# Allegro board 8880F5-0823_2_1.brd (continued)
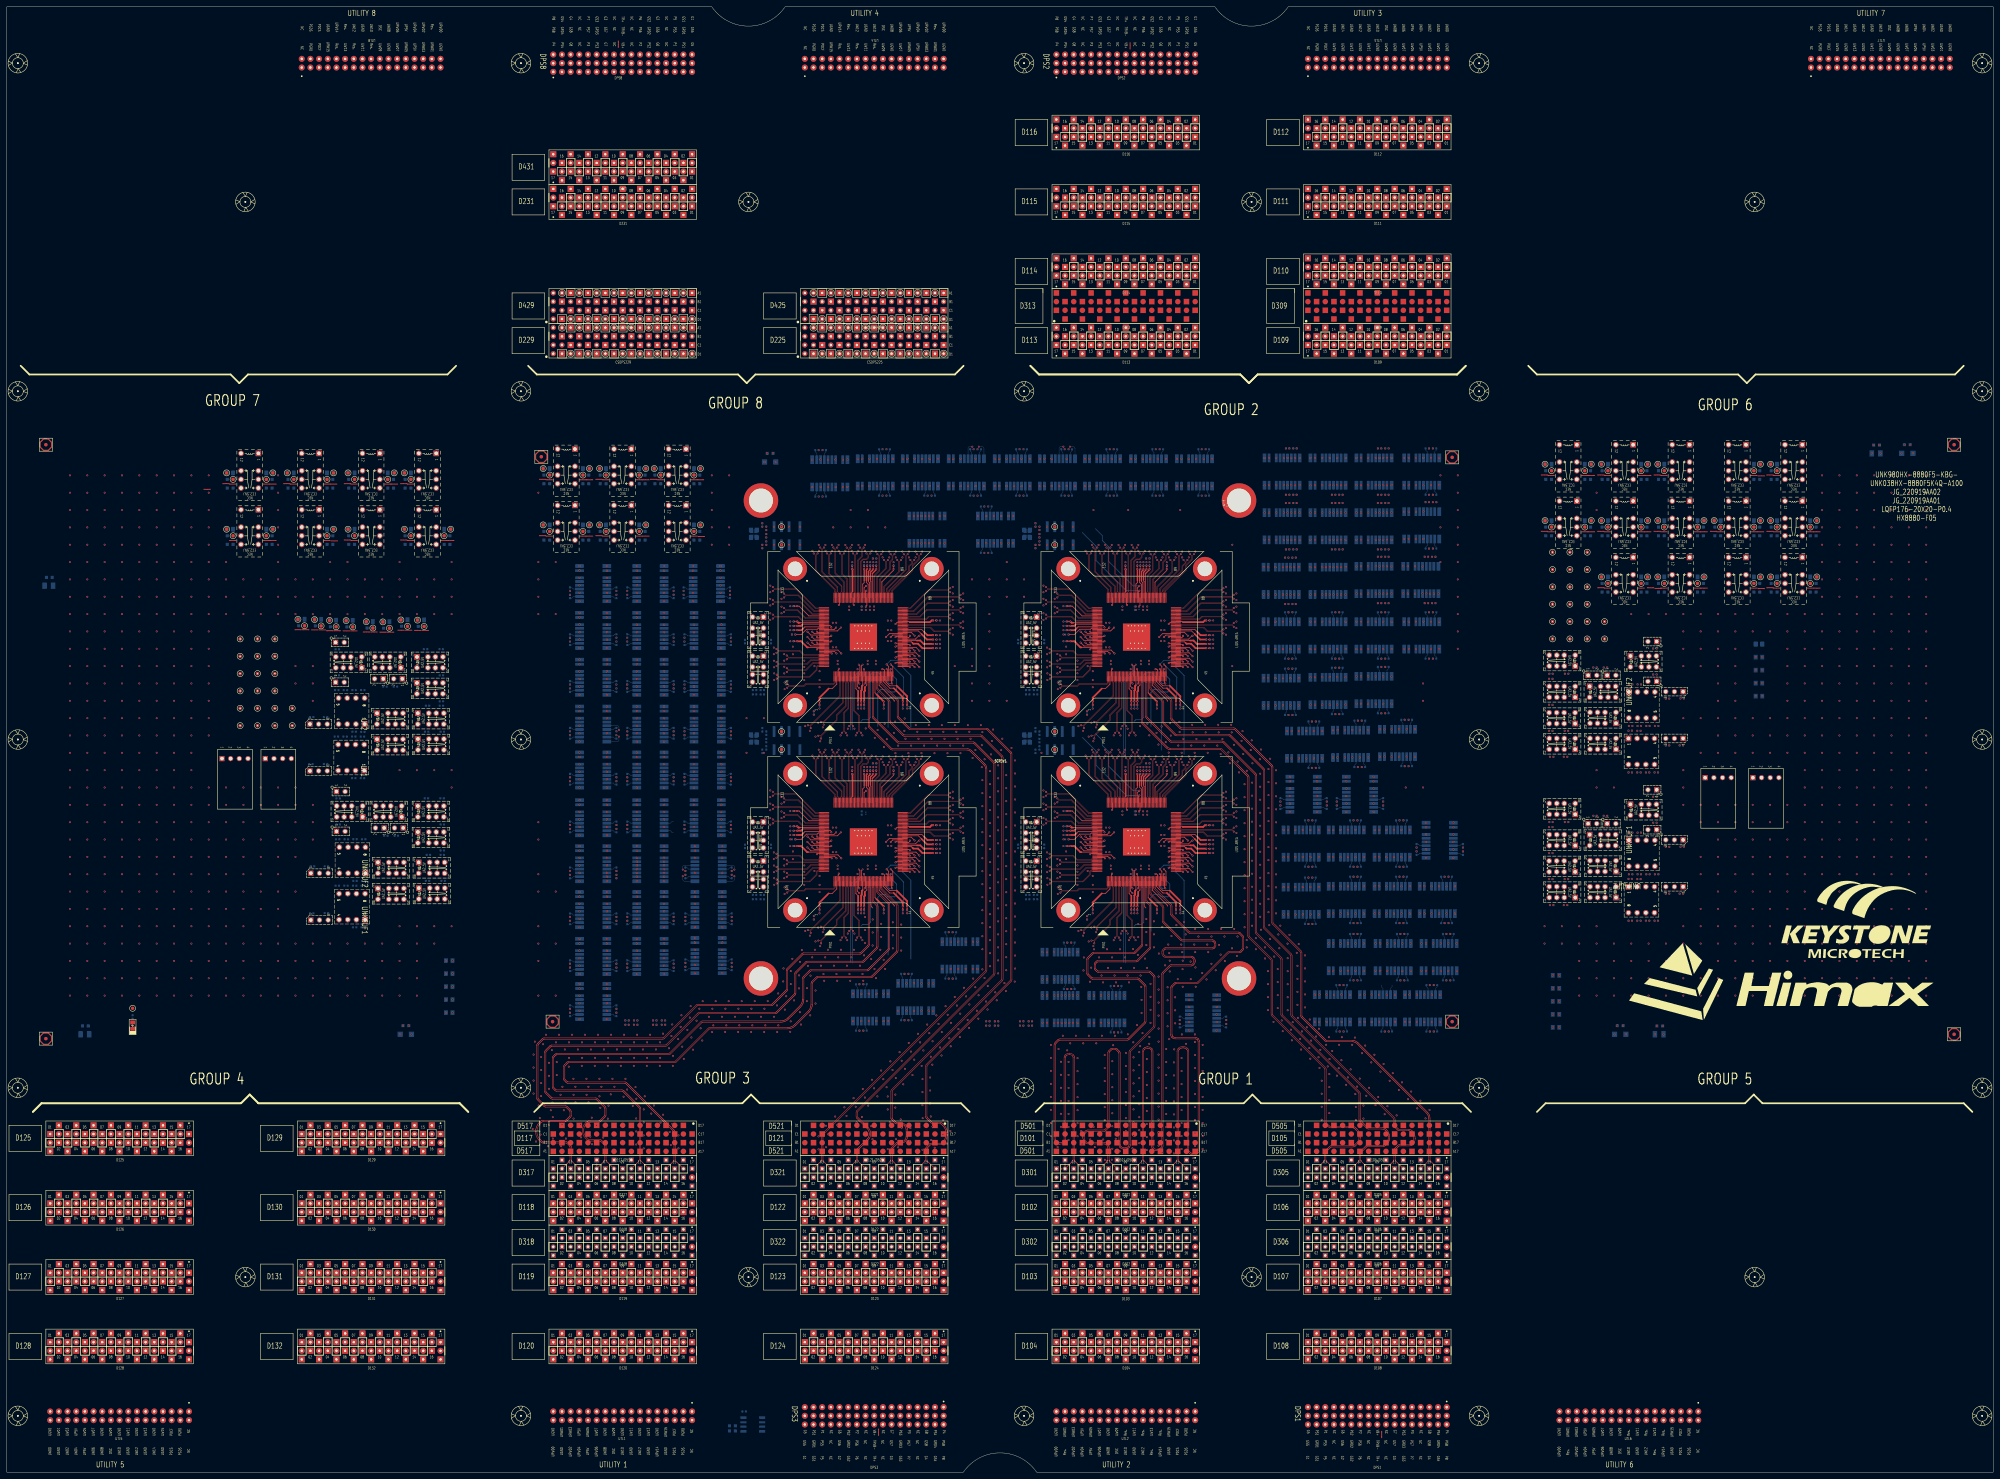
[diagram p0: board, top side]
## Routing (per net, layer and track width the routed paths; a pad name or vN(x,y) marks a point on that pad's centre or on a via; arc(x,y) is an arc through that point) (continued)
S2_2TX_100DCH004-: length 136.7
  TOP w0.086: v1(340.71,267.21) 341.17,266.75 341.17,263.84 336.71,259.38 336.71,257.86 336.63,257.78 SITE2.96
  L05_SIGNAL w0.071: 408.39,311.64 408.39,287.28 406.48,285.37 403.69,285.37 403.15,284.84 403.15,283.98 403.22,283.91 v1(403.63,283.91)
  L32_SIGNAL w0.071: v1(340.71,267.21) 341.19,267.69 341.19,271.15 342.52,272.48 366.26,272.48 366.83,271.92 381.89,271.92 384.72,269.09 396.56,269.09 397.24,269.77 406.11,269.77 406.98,270.64 406.98,284.23 406.11,285.09 403.29,285.09 403.15,284.96 403.15,284.38 v1(403.63,283.91)
S2_2TX_100DCH005+: length 130.2
  TOP w0.086: SITE2.98 335.83,257.78 335.75,257.86 335.75,261.48 338.7,264.43 338.7,266.53 339.46,267.3 339.46,268.47 v1(339.93,268.93)
  L05_SIGNAL w0.071: 399.7,311.64 399.7,273.14 400.54,272.3 402.03,272.3 402.95,271.37 402.95,270.39 402.88,270.32 v1(402.48,270.32)
  L32_SIGNAL w0.071: v1(339.93,268.93) 339.45,269.4 339.45,271.76 340.65,272.96 366.4,272.96 367.14,272.22 383.39,272.22 386.2,269.41 395,269.41 397.98,272.39 402.45,272.39 402.95,271.88 402.95,270.79 v1(402.48,270.32)
S2_2TX_100DCH005-: length 130.9
  TOP w0.086: SITE2.99 335.43,257.78 335.51,257.86 335.51,261.58 338.46,264.53 338.46,266.63 339.22,267.39 339.22,268.49 v1(338.78,268.93)
  L05_SIGNAL w0.071: v1(403.63,270.32) 403.22,270.32 403.15,270.39 403.15,271.45 402.11,272.49 400.62,272.49 399.9,273.22 399.9,311.64
  L32_SIGNAL w0.071: v1(403.63,270.32) 403.15,270.79 403.15,271.96 402.53,272.59 397.9,272.59 394.92,269.61 386.29,269.61 383.48,272.42 367.22,272.42 366.48,273.15 340.57,273.15 339.26,271.84 339.26,269.4 v1(338.78,268.93)
S2_2TX_100DCH006+: length 237.3
  TOP w0.086: SITE2.100 335.03,257.78 334.95,257.86 334.95,262.07 337.55,264.67 337.55,266.76 v1(338,267.21)
  L05_SIGNAL w0.071: v1(389.02,283.91) 389.42,283.91 389.49,283.98 389.49,285.03 390.19,285.73 391.88,285.73 393.3,287.15 393.3,311.64
  L32_SIGNAL w0.071: v1(338,267.21) 337.53,266.74 337.53,264.24 336.26,262.97 320.43,262.97 314.95,268.46 314.95,273.47 318.65,277.17 363.57,277.17 367.03,280.62 367.03,302.08 369.35,304.4 404,304.4 406.96,301.44 406.96,295.52 404.38,292.94 387.04,292.94 386.34,292.25 386.34,283.28 387.45,282.17 388.8,282.17 389.48,282.85 389.48,283.45 v1(389.02,283.91)
S2_2TX_100DCH006-: length 236.6
  TOP w0.086: SITE2.101 334.63,257.78 334.71,257.86 334.71,262.17 337.31,264.77 337.31,266.76 v1(336.85,267.21)
  L05_SIGNAL w0.071: v1(390.16,283.91) 389.76,283.91 389.69,283.98 389.69,284.94 390.28,285.53 391.96,285.53 393.5,287.07 393.5,311.64
  L32_SIGNAL w0.071: v1(390.16,283.91) 389.67,283.42 389.67,282.76 388.89,281.98 387.37,281.98 386.15,283.2 386.15,292.33 386.95,293.14 404.3,293.14 406.76,295.6 406.76,301.36 403.91,304.2 369.43,304.2 367.22,302 367.22,280.54 363.66,276.97 318.73,276.97 315.15,273.39 315.15,268.54 320.52,263.17 336.18,263.17 337.33,264.32 337.33,266.74 v1(336.85,267.21)
S2_2TX_100DCH007+: length 118.4
  TOP w0.086: SITE2.102 334.23,257.78 334.15,257.86 334.15,262.58 335.64,264.07 335.64,268.51 v1(336.07,268.93)
  L05_SIGNAL w0.071: 394.2,311.64 394.2,285.43 391.29,282.51 391.29,272.96 389.49,271.16 389.49,270.39 389.42,270.32 v1(389.02,270.32)
  L32_SIGNAL w0.071: v1(336.07,268.93) 335.6,269.4 335.6,272.83 336.71,273.94 385.33,273.94 386.97,272.31 389.03,272.31 389.49,271.84 389.49,270.79 v1(389.02,270.32)
S2_2TX_100DCH007-: length 119
  TOP w0.086: SITE2.103 333.83,257.78 333.91,257.86 333.91,262.68 335.4,264.17 335.4,268.46 v1(334.93,268.93)
  L05_SIGNAL w0.071: 394.4,311.64 394.4,285.35 391.49,282.43 391.49,272.88 389.69,271.08 389.69,270.39 389.76,270.32 v1(390.16,270.32)
  L32_SIGNAL w0.071: v1(334.93,268.93) 335.4,269.4 335.4,272.91 336.63,274.14 385.42,274.14 387.05,272.51 389.11,272.51 389.69,271.93 389.69,270.79 v1(390.16,270.32)
S2_3TX_100DCH002+: length 125.2
  TOP w0.086: v1(330.93,270.87) 330.46,270.4 330.46,268.18 329.35,267.06 329.35,257.86 329.43,257.78 SITE2.114
  L07_SIGNAL w0.071: 386.4,312.91 386.4,289.03 387.24,288.18 388.84,288.18 389.49,287.53 389.49,286.39 389.42,286.32 v1(389.02,286.32)
  L30_SIGNAL w0.071: v1(330.93,270.87) 330.46,271.34 330.46,287.51 334.25,291.3 383.92,291.3 386.91,288.31 388.91,288.31 389.49,287.73 389.49,286.79 v1(389.02,286.32)
S2_3TX_100DCH002-: length 125.8
  TOP w0.086: SITE2.115 329.03,257.78 329.11,257.86 329.11,267.16 330.22,268.28 330.22,270.43 v1(329.79,270.87)
  L07_SIGNAL w0.071: 386.6,312.91 386.6,289.11 387.33,288.38 388.92,288.38 389.69,287.61 389.69,286.39 389.76,286.32 v1(390.16,286.32)
  L30_SIGNAL w0.071: v1(390.16,286.32) 389.69,286.79 389.69,287.81 388.99,288.51 386.99,288.51 384.01,291.5 334.17,291.5 330.26,287.59 330.26,271.34 v1(329.79,270.87)
S2_3TX_100DCH003+: length 225.4
  TOP w0.086: v1(328.93,269.15) 328.55,268.77 328.55,257.86 328.63,257.78 SITE2.116
  L07_SIGNAL w0.071: 411.35,312.77 411.35,284.99 413.59,282.74 413.59,272.04 416.67,268.96 416.67,268.23 416.6,268.16 v1(416.2,268.16)
  L30_SIGNAL w0.071: v1(328.93,269.15) 328.46,269.62 328.46,278.82 329.59,279.95 329.59,284.83 328.18,286.24 328.18,288.75 332.05,292.63 379.88,292.63 389.65,302.4 423.31,302.4 427.99,297.73 427.99,277.1 420.89,270.01 417.12,270.01 416.67,269.56 416.67,268.63 v1(416.2,268.16)
S2_3TX_100DCH003-: length 226.1
  TOP w0.086: SITE2.117 328.23,257.78 328.31,257.86 328.31,268.63 v1(327.79,269.15)
  L07_SIGNAL w0.071: 411.54,312.77 411.54,285.07 413.79,282.83 413.79,272.12 416.87,269.04 416.87,268.23 416.94,268.16 v1(417.34,268.16)
  L30_SIGNAL w0.071: v1(327.79,269.15) 328.26,269.62 328.26,278.9 329.39,280.03 329.39,284.75 327.98,286.16 327.98,288.84 331.97,292.83 379.8,292.83 389.57,302.6 423.39,302.6 428.19,297.81 428.19,277.02 420.98,269.81 417.2,269.81 416.87,269.48 416.87,268.63 v1(417.34,268.16)
S2_3TX_100DCH004+: length 260.6
  TOP w0.086: v1(327.07,270.87) 326.61,270.41 326.61,262.62 326.95,262.28 326.95,257.86 327.03,257.78 SITE2.120
  L07_SIGNAL w0.071: v1(416.2,254.57) 416.6,254.57 416.67,254.64 416.67,255.84 417.33,256.5 420.11,256.5 422.69,259.08 422.69,312.7
  L30_SIGNAL w0.071: v1(327.07,270.87) 326.6,271.34 326.6,288.41 331.83,293.64 377.35,293.64 387.74,304.03 425.86,304.03 430.07,299.82 430.07,265.36 421.5,256.79 417.38,256.79 416.67,256.08 416.67,255.04 v1(416.2,254.57)
S2_3TX_100DCH004-: length 261.3
  TOP w0.086: v1(325.93,270.87) 326.38,270.42 326.38,262.52 326.71,262.19 326.71,257.86 326.63,257.78 SITE2.121
  L07_SIGNAL w0.071: 422.89,312.7 422.89,259 420.19,256.3 417.41,256.3 416.87,255.75 416.87,254.64 416.94,254.57 v1(417.34,254.57)
  L30_SIGNAL w0.071: v1(325.93,270.87) 326.4,271.34 326.4,288.49 331.75,293.84 377.27,293.84 387.66,304.22 425.94,304.22 430.27,299.9 430.27,265.27 421.59,256.6 417.46,256.6 416.87,256 416.87,255.04 v1(417.34,254.57)
S2_3TX_100DCH005+: length 128.6
  TOP w0.086: v1(325.14,269.15) 324.69,268.7 324.69,263.17 326.15,261.71 326.15,257.86 326.23,257.78 SITE2.122
  L07_SIGNAL w0.071: 380.69,312.91 380.69,272.24 378.14,269.69 376.37,269.69 375.78,269.09 375.78,267.98 375.71,267.91 v1(375.3,267.91)
  L30_SIGNAL w0.071: v1(325.14,269.15) 324.67,268.68 324.67,260.8 328.04,257.43 350.56,257.43 359.03,265.9 374.99,265.9 375.78,266.69 375.78,267.43 v1(375.3,267.91)
S2_3TX_100DCH005-: length 129.3
  TOP w0.086: SITE2.123 325.83,257.78 325.91,257.86 325.91,261.61 324.46,263.07 324.46,268.69 v1(324,269.15)
  L07_SIGNAL w0.071: 380.89,312.91 380.89,272.16 378.22,269.49 376.45,269.49 375.98,269.01 375.98,267.98 376.05,267.91 v1(376.45,267.91)
  L30_SIGNAL w0.071: v1(324,269.15) 324.47,268.68 324.47,260.72 327.95,257.24 350.65,257.24 359.11,265.7 375.07,265.7 375.97,266.6 375.97,267.43 v1(376.45,267.91)
S2_3TX_100DCH006+: length 149.5
  TOP w0.086: SITE2.124 325.43,257.78 325.35,257.86 325.35,260.75 322.73,263.37 322.73,270.45 v1(323.16,270.88)
  L07_SIGNAL w0.071: v1(375.3,254.32) 375.71,254.32 375.78,254.39 375.78,255.72 375.25,256.25 373.25,256.25 372.63,256.87 372.63,312.91
  L30_SIGNAL w0.071: v1(323.16,270.88) 322.69,270.41 322.69,260.27 326.07,256.89 351.23,256.89 355.31,260.97 362.69,260.97 370.92,252.74 375.38,252.74 375.77,253.14 375.77,253.85 v1(375.3,254.32)
S2_3TX_100DCH006-: length 150.2
  TOP w0.086: SITE2.125 325.03,257.78 325.11,257.86 325.11,260.65 322.49,263.28 322.49,270.41 v1(322.02,270.88)
  L07_SIGNAL w0.071: v1(376.45,254.32) 376.05,254.32 375.98,254.39 375.98,255.8 375.33,256.45 373.33,256.45 372.83,256.95 372.83,312.91
  L30_SIGNAL w0.071: v1(322.02,270.88) 322.49,270.41 322.49,260.18 325.99,256.69 351.31,256.69 355.4,260.77 362.61,260.77 370.84,252.54 375.46,252.54 375.97,253.06 375.97,253.84 v1(376.45,254.32)
S2_3TX_100DCH007+: length 113.4
  TOP w0.086: v1(321.28,269.15) 320.83,268.7 320.83,263.34 324.55,259.62 324.55,257.86 324.63,257.78 SITE2.126
  L07_SIGNAL w0.071: 376.03,312.91 376.03,299.98 375.96,299.91 v1(375.56,299.91)
  L30_SIGNAL w0.071: v1(375.56,299.91) 376.03,300.39 376.03,302.26 375.52,302.78 365.33,302.78 357.45,294.9 324.29,294.9 320.81,291.42 320.81,269.62 v1(321.28,269.15)
S2_3TX_100DCH007-: length 114
  TOP w0.086: v1(320.14,269.15) 320.59,268.7 320.59,263.24 324.31,259.52 324.31,257.86 324.23,257.78 SITE2.127
  L07_SIGNAL w0.071: v1(376.7,299.91) 376.3,299.91 376.23,299.98 376.23,312.91
  L30_SIGNAL w0.071: v1(376.7,299.91) 376.23,300.38 376.23,302.34 375.6,302.98 365.25,302.98 357.37,295.1 324.21,295.1 320.61,291.51 320.61,269.62 v1(320.14,269.15)
S2_4TX_100DCH001+: length 115.5
  TOP w0.086: v1(319.3,270.88) 318.85,270.43 318.85,263.79 323.35,259.29 323.35,257.86 323.43,257.78 SITE2.129
  L05_SIGNAL w0.071: v1(375.56,286.32) 375.96,286.32 376.03,286.39 376.03,287.05 377.83,288.85 377.83,294.96 379.13,296.26 379.13,311.64
  L32_SIGNAL w0.071: v1(375.56,286.32) 376.03,286.79 376.03,287.61 375.39,288.26 372.07,288.26 370.62,286.81 370.62,280.56 365.27,275.21 320.4,275.21 318.83,273.64 318.83,271.35 v1(319.3,270.88)
S2_4TX_100DCH001-: length 116.2
  TOP w0.086: SITE2.130 323.03,257.78 323.11,257.86 323.11,259.19 318.61,263.69 318.61,270.43 v1(318.16,270.88)
  L05_SIGNAL w0.071: v1(376.7,286.32) 376.3,286.32 376.23,286.39 376.23,286.97 378.03,288.77 378.03,294.88 379.33,296.18 379.33,311.64
  L32_SIGNAL w0.071: v1(318.16,270.88) 318.63,271.35 318.63,273.73 320.31,275.41 365.19,275.41 370.42,280.64 370.42,286.89 371.98,288.46 375.47,288.46 376.23,287.69 376.23,286.79 v1(376.7,286.32)
S2_4TX_100DCH002+: length 144.4
  TOP w0.086: SITE2.131 322.63,257.78 322.55,257.86 322.55,258.66 316.97,264.24 316.97,268.69 v1(317.43,269.15)
  L05_SIGNAL w0.071: 402.95,311.64 402.95,299.98 402.88,299.91 v1(402.48,299.91)
  L32_SIGNAL w0.071: v1(402.48,299.91) 402.95,300.38 402.95,301.1 401.84,302.21 369.88,302.21 369.01,301.35 369.01,280.51 364.67,276.16 319.35,276.16 316.95,273.76 316.95,269.62 v1(317.43,269.15)
S2_4TX_100DCH002-: length 145
  TOP w0.086: SITE2.132 322.23,257.78 322.31,257.86 322.31,258.56 316.73,264.14 316.73,268.71 v1(316.28,269.15)
  L05_SIGNAL w0.071: 403.15,311.64 403.15,299.98 403.22,299.91 v1(403.63,299.91)
  L32_SIGNAL w0.071: v1(316.28,269.15) 316.75,269.62 316.75,273.84 319.27,276.36 364.58,276.36 368.81,280.59 368.81,301.43 369.8,302.41 401.92,302.41 403.15,301.18 403.15,300.38 v1(403.63,299.91)
S2_4TX_100DCH003+: length 204.4
  TOP w0.086: v1(304.31,259.31) 304.75,258.87 311.22,258.87 316.94,253.15 317.6,253.15 317.68,253.23 SITE2.133
  L05_SIGNAL w0.071: 406.38,311.64 406.38,289.06 405.84,288.52 403.97,288.52 402.95,287.5 402.95,286.39 402.88,286.32 v1(402.48,286.32)
  L32_SIGNAL w0.071: v1(304.31,259.31) 303.83,258.84 302.73,258.84 301.98,259.59 301.98,267.6 312.48,278.1 345.5,278.1 363.76,296.36 363.76,302.05 368.91,307.2 402.53,307.2 408.24,301.49 408.24,290.45 406.37,288.57 403.4,288.57 402.95,288.13 402.95,286.79 v1(402.48,286.32)
S2_4TX_100DCH003-: length 205.4
  TOP w0.086: v1(304.31,258.17) 304.77,258.63 311.12,258.63 316.84,252.91 317.6,252.91 317.68,252.83 SITE2.134
  L05_SIGNAL w0.071: v1(403.63,286.32) 403.22,286.32 403.15,286.39 403.15,287.42 404.06,288.32 405.92,288.32 406.58,288.98 406.58,311.64
  L32_SIGNAL w0.071: v1(403.63,286.32) 403.15,286.79 403.15,288.05 403.48,288.38 406.45,288.38 408.44,290.37 408.44,301.57 402.62,307.4 368.83,307.4 363.57,302.13 363.57,296.44 345.42,278.3 312.39,278.3 301.78,267.68 301.78,259.51 302.65,258.64 303.83,258.64 v1(304.31,258.17)
S2_4TX_100DCH004+: length 151.7
  TOP w0.086: v1(307.6,257.38) 308.04,256.95 311.86,256.95 316.46,252.35 317.6,252.35 317.68,252.43 SITE2.135
  L05_SIGNAL w0.071: 380.8,311.64 380.8,256.48 378.01,253.69 376.42,253.69 375.78,253.05 375.78,251.98 375.71,251.9 v1(375.3,251.9)
  L32_SIGNAL w0.071: v1(375.3,251.9) 375.78,251.43 375.78,250.53 375.26,250.01 373.63,250.01 365.31,258.33 359.12,258.33 357.11,256.33 354.67,256.33 354.09,256.91 308.07,256.91 v1(307.6,257.38)
S2_4TX_100DCH004-: length 152
  TOP w0.086: v1(307.6,256.24) 308.07,256.71 311.76,256.71 316.36,252.11 317.6,252.11 317.68,252.03 SITE2.136
  L05_SIGNAL w0.071: v1(376.45,251.9) 376.05,251.9 375.98,251.98 375.98,252.97 376.5,253.49 378.09,253.49 380.99,256.4 380.99,311.64
  L32_SIGNAL w0.071: v1(376.45,251.9) 375.98,251.43 375.98,250.45 375.34,249.81 373.55,249.81 365.23,258.13 359.2,258.13 357.2,256.13 354.59,256.13 354.01,256.71 308.07,256.71 v1(307.6,256.24)
S2_4TX_100DCH005+: length 176.3
  TOP w0.086: SITE2.137 317.68,251.63 317.6,251.55 315.88,251.55 312.43,255.01 304.75,255.01 v1(304.31,255.45)
  L05_SIGNAL w0.071: 382.35,311.64 382.35,246.63 375.78,240.05 375.78,238.39 375.71,238.32 v1(375.3,238.32)
  L32_SIGNAL w0.071: v1(304.31,255.45) 304.78,254.98 305.14,254.98 306.04,254.08 306.04,251.27 307.02,250.29 349.51,250.29 356.97,242.83 363.64,242.83 370.4,236.08 375.02,236.08 375.78,236.83 375.78,237.84 v1(375.3,238.32)
S2_4TX_100DCH005-: length 176.6
  TOP w0.086: v1(304.31,254.31) 304.76,254.77 312.33,254.77 315.78,251.31 317.6,251.31 317.68,251.23 SITE2.138
  L05_SIGNAL w0.071: 382.55,311.64 382.55,246.55 375.98,239.97 375.98,238.39 376.05,238.32 v1(376.45,238.32)
  L32_SIGNAL w0.071: v1(376.45,238.32) 375.98,237.84 375.98,236.75 375.1,235.88 370.31,235.88 363.56,242.63 356.89,242.63 349.43,250.09 306.94,250.09 305.84,251.19 305.84,254 305.06,254.78 304.78,254.78 v1(304.31,254.31)
S2_4TX_100DCH006+: length 191.4
  TOP w0.086: SITE2.140 317.68,250.43 317.6,250.35 313.87,250.35 311.52,252.7 308.04,252.7 v1(307.6,253.14)
  L05_SIGNAL w0.071: v1(416.45,251.9) 416.85,251.9 416.92,251.98 416.92,253.26 417.47,253.8 418.61,253.8 421.66,256.86 421.66,311.64
  L32_SIGNAL w0.071: v1(416.45,251.9) 416.92,251.43 416.92,250.12 414.4,247.6 362.89,247.6 357.8,252.69 355.66,252.69 354.39,251.43 325.91,251.43 324.67,252.67 308.07,252.67 v1(307.6,253.14)
S2_4TX_100DCH006-: length 191.7
  TOP w0.086: v1(307.6,252) 308.06,252.46 311.43,252.46 313.78,250.11 317.6,250.11 317.68,250.03 SITE2.141
  L05_SIGNAL w0.071: 421.86,311.64 421.86,256.77 418.69,253.6 417.55,253.6 417.12,253.18 417.12,251.98 417.19,251.9 v1(417.6,251.9)
  L32_SIGNAL w0.071: v1(307.6,252) 308.07,252.47 324.59,252.47 325.83,251.23 354.47,251.23 355.74,252.5 357.71,252.5 362.81,247.4 414.49,247.4 417.12,250.04 417.12,251.43 v1(417.6,251.9)
S2_4TX_100DCH007+: length 219
  TOP w0.086: SITE2.142 317.68,249.63 317.6,249.55 313.04,249.55 311.83,250.76 304.76,250.76 v1(304.31,251.21)
  L05_SIGNAL w0.071: v1(416.45,238.32) 416.85,238.32 416.92,238.39 416.92,239.91 423.19,246.17 423.19,311.64
  L32_SIGNAL w0.071: v1(416.45,238.32) 416.92,237.84 416.92,236.22 414.88,234.17 369.68,234.17 365.44,238.42 344.11,238.42 343.63,237.94 339.58,237.94 338.54,238.98 316.99,238.98 315.38,240.6 309.17,240.6 306.67,243.09 306.67,249.45 305.38,250.74 304.78,250.74 v1(304.31,251.21)
S2_4TX_100DCH007-: length 219.4
  TOP w0.086: SITE2.143 317.68,249.23 317.6,249.31 312.94,249.31 311.73,250.52 304.76,250.52 v1(304.31,250.07)
  L05_SIGNAL w0.071: v1(417.6,238.32) 417.19,238.32 417.12,238.39 417.12,239.83 423.39,246.09 423.39,311.64
  L32_SIGNAL w0.071: v1(304.31,250.07) 304.78,250.54 305.3,250.54 306.47,249.37 306.47,243.01 309.08,240.4 315.3,240.4 316.91,238.79 338.45,238.79 339.5,237.74 343.71,237.74 344.19,238.22 365.35,238.22 369.6,233.97 414.96,233.97 417.12,236.14 417.12,237.84 v1(417.6,238.32)
S2_AUX_100DCH002+:
  vias: v1(289.31,132.08)
S2_AUX_100DCH002-:
  vias: v1(286.77,132.08)
S2_AUXCH+: length 32.3
  TOP w0.203: SITE2.21 330.23,236.2 v2(330.6,236.57)
  BOTTOM w0.203: 327.57,209.14 327.57,231.79 330.3,234.52 330.3,236.28 v2(330.6,236.57)
S2_AUXCH-: length 32.1
  TOP w0.203: v2(329.46,236.57) 329.83,236.2 SITE2.20
  BOTTOM w0.203: v2(329.46,236.57) 329.76,236.28 329.76,234.75 327.02,232.02 327.02,209.37
S2_AVDD11_RX: length 8.4
  TOP w0.231: SITE2.31 334.23,228.29 334.67,227.85
  TOP w0.508: v1(336.77,225.75) 334.67,227.85
  vias: v1(336.77,223.71)
S2_AVDD11_XTAL: length 8.8
  TOP w0.231: 332.87,261.45 332.87,261.11 333.03,260.95 SITE2.105
  TOP w0.381: 332.87,261.45 332.87,263.59 333.72,264.44 v1(333.72,264.54)
  vias: v1(333.72,266.58)
S2_AVDD18_RX: length 7.7
  TOP w0.231: 331.28,230.01 331.83,230.56 SITE2.25
  TOP w0.508: v1(331.06,225.75) 331.06,228.68 331.28,228.9 331.28,230.01
  vias: v1(331.06,223.71)
S2_DCH041: length 2.2
  TOP w0.231: v1(317.23,243.03) 317.43,242.83 SITE2.159
S2_DCH042: length 3.7
  TOP w0.231: v1(315.83,243.03) 316.43,242.43 SITE2.160
S2_DCH043: length 5.3
  TOP w0.231: SITE2.161 315.44,242.03 v1(314.43,243.03)
S2_DCH044: length 2.2
  TOP w0.231: SITE2.163 317.43,241.23 v1(317.23,241.03)
S2_DCH045: length 5.4
  TOP w0.231: SITE2.164 323.35,240.83 v1(324.35,239.83)
S2_DCH046: length 3.9
  TOP w0.231: SITE2.165 322.35,240.43 v1(322.95,239.83)
S2_DCH047: length 2.3
  TOP w0.231: SITE2.166 321.36,240.03 v1(321.56,239.83)
S2_DCH048:
  vias: v1(309.05,276.97)
S2_DCH049:
  vias: v1(309.05,271.67)
S2_DPS_F_001:
  vias: v1(287.77,130.81)
S2_DPS_F_002: length 10.1
  TOP w0.231: SITE2.3 323.03,230.86 321.72,229.55 320.65,229.55
  TOP w0.508: 320.65,229.55 317.98,226.88 v1(317.98,225.75)
  vias: v1(316.32,222.9) v1(317.98,223.71)
S2_DPS_F_003: length 63.1
  TOP w0.231: SITE2.71 346.94,246.43 347.84,245.53 ; 331.69,261.16 331.69,260.65 332.23,260.11 SITE2.107 ; SITE2.145 313.08,248.43 312.83,248.18 ; SITE2.17 328.63,229.5 329.28,228.85 ; 314.63,241.63 SITE2.162 ; 345.2,242.93 344.9,243.23 SITE2.63 ; 339.73,229.66 338.57,229.66 336.63,231.59 SITE2.37
  TOP w0.381: v1(331.94,264.54) 331.69,264.28 331.69,261.16
  TOP w0.508: v1(351.22,243.91) 349.45,243.91 347.84,245.53 ; 342.36,225.75 342.36,227.02 339.73,229.66 ; 312.83,248.18 312.58,247.93 v1(311.44,247.93) ; v1(311.44,243.41) 312.59,243.41 314.37,241.63 314.63,241.63 ; v1(351.22,241.37) 348.11,241.37 346.8,242.67 345.45,242.67 345.2,242.93 ; v1(329.28,225.75) 329.28,228.85
  vias: v1(309.4,247.93) v1(309.4,243.41) v1(329.28,223.71) v1(331.94,266.58) v1(342.36,223.71) v1(353.27,243.91) v1(353.27,241.37) v1(464.57,235.71)
S2_DPS_F_006: length 9.6
  TOP w0.231: SITE2.72 347.92,246.83 348.55,246.19
  TOP w0.508: v1(351.22,245.18) 349.56,245.18 348.55,246.19
  vias: v1(339,246.67) v1(353.27,245.18)
S2_DPS_F_007: length 19
  TOP w0.231: v1(339.65,264.54) 339.65,264.13 336.23,260.71 SITE2.97 ; 344.37,249.01 344.15,249.23 SITE2.78
  TOP w0.508: v1(351.22,249.5) 350.8,249.5 350.31,249.01 344.37,249.01
  vias: v1(339.65,266.58) v1(353.27,249.5)
S2_DPS_F_009: length 8.8
  TOP w0.231: SITE2.106 332.63,260.53 332.26,260.9 332.26,261.12
  TOP w0.381: v1(332.83,264.54) 332.83,264.39 332.26,263.82 332.26,261.12
  vias: v1(332.83,266.58) v1(333.61,267.66)
S2_DPS_F_010: length 8.6
  TOP w0.231: SITE2.111 330.63,260.15 331.05,260.57 331.05,261.13
  TOP w0.381: 331.05,261.13 v1(331.05,264.54)
  vias: v1(330.63,253.59) v1(331.05,266.58)
S2_DPS_F_011: length 17.6
  TOP w0.231: v1(311.44,253.69) 312.01,253.69 314.87,250.83 SITE2.139 ; 327.64,258.01 327.43,257.79 SITE2.119
  TOP w0.508: v1(327.57,264.54) 327.64,264.47 327.64,258.01
  vias: v1(309.4,253.69) v1(327.57,266.58)
S2_DPS_F_012: length 8
  TOP w0.231: 312.2,248.83 SITE2.144
  TOP w0.508: v1(311.44,249.2) 311.81,248.83 312.2,248.83
  vias: v1(309.4,249.2)
S2_DPS_F_013:
  vias: v1(452.62,232.41) v1(452.62,224.79) v1(457.25,233.88) v1(474.87,217.23) v1(474.89,204.98) v1(474.99,218.59) v1(475.99,230.78) v1(478.43,217.17) v1(478.43,204.98) v1(478.53,230.78) v1(478.53,218.59) v1(480.97,204.98) v1(481.07,218.59) v1(482.1,241.3) v1(482.1,233.68) v1(483.51,204.98) v1(483.61,218.59) v1(489.86,212.91) v1(490.1,226.67)
S2_ISP00+: length 14.6
  TOP w0.086: v1(356.24,245.73) 355.81,246.16 351.56,246.16 350.41,247.31 344.06,247.31 343.98,247.23 SITE2.73
  vias: v1(386.29,257.11)
S2_ISP00-: length 14.6
  TOP w0.086: v1(356.24,246.87) 355.77,246.4 351.66,246.4 350.51,247.55 344.06,247.55 343.98,247.63 SITE2.74
  vias: v1(386.29,265.11)
S2_ISP14+: length 84.9
  TOP w0.086: v1(332.86,269.15) 332.42,268.71 332.42,267.92 331.76,267.26 330.73,267.26 330.15,266.68 330.15,257.86 330.23,257.78 SITE2.112
  L28_SIGNAL w0.071: v1(390.69,257.11) 390.69,260.68 390.36,261.01 364.75,261.01 352.61,273.15 334.35,273.15 332.39,271.2 332.39,269.62 v1(332.86,269.15)
S2_ISP14-: length 85.2
  TOP w0.086: v1(331.72,269.15) 332.18,268.69 332.18,268.02 331.66,267.5 330.63,267.5 329.91,266.78 329.91,257.86 329.83,257.78 SITE2.113
  L28_SIGNAL w0.071: v1(390.69,265.11) 390.69,261.53 390.38,261.21 364.83,261.21 352.69,273.35 334.26,273.35 332.19,271.28 332.19,269.62 v1(331.72,269.15)
S2_M_DPS_F_001: length 45.2
  TOP w0.231: 340.57,230.37 338.54,230.37 337.43,231.49 SITE2.39 ; 346.49,243.63 SITE2.64 ; 330.63,230.54 SITE2.22 ; SITE2.104 333.43,263.21 ; SITE2.147 313.7,247.63 313.24,247.18
  TOP w0.381: 333.43,263.21 334.61,264.39 v1(334.61,264.54)
  TOP w0.508: 340.57,230.37 343.63,227.31 v1(343.63,225.75) ; 346.49,243.63 347.49,243.63 348.48,242.64 v1(351.22,242.64) ; v1(311.44,246.66) 312.72,246.66 313.24,247.18 ; v1(330.17,225.75) 330.17,228.96 330.38,229.17 330.38,230.28 330.63,230.54
  vias: v1(309.4,246.66) v1(330.17,223.71) v1(334.61,266.58) v1(343.63,223.71) v1(353.27,242.64)
S2_PS9G_DCH001: length 3.7
  TOP w0.231: SITE2.18 329.03,230.23 v1(329.63,229.63)
S2_PS9G_DCH002: length 2.2
  TOP w0.231: v1(329.63,231.03) 329.43,231.23 SITE2.19
S2_PS9G_DCH003: length 2.2
  TOP w0.231: v1(331.23,231.03) 331.43,231.23 SITE2.24
S2_PS9G_DCH004: length 2.2
  TOP w0.231: SITE2.40 337.83,235.03 v1(337.63,235.23)
S2_PS9G_DCH005: length 2.2
  TOP w0.231: v1(344.43,235.83) 344.23,236.03 SITE2.45
S2_PS9G_DCH006: length 3.7
  TOP w0.231: v1(345.83,235.83) 345.23,236.43 SITE2.46
S2_PS9G_DCH007: length 5.3
  TOP w0.231: v1(347.22,235.83) 346.22,236.83 SITE2.47
S2_PS9G_DCH009: length 2.2
  TOP w0.231: v1(344.43,237.43) 344.23,237.63 SITE2.49
S2_PS9G_DCH010: length 3.7
  TOP w0.231: SITE2.50 345.23,238.03 v1(345.83,237.43)
S2_PS9G_DCH011: length 5.3
  TOP w0.231: v1(347.22,237.43) 346.22,238.43 SITE2.51
S2_PS9G_DCH014: length 3.7
  TOP w0.231: SITE2.54 345.23,239.63 v1(345.83,239.03)
S2_PS9G_DCH015: length 5.3
  TOP w0.231: v1(347.22,239.03) 346.22,240.03 SITE2.55
S2_PS9G_DCH022: length 5.3
  TOP w0.231: v1(347.22,245.03) 347.05,245.03 346.05,244.03 SITE2.65
S2_PS9G_DCH023: length 2.5
  TOP w0.231: v1(344.43,245.03) 344.43,244.83 344.03,244.43 SITE2.66
S2_PS9G_DCH027: length 3.9
  TOP w0.231: v1(345.83,245.03) 344.83,246.03 SITE2.70
S2_PS9G_DCH028: length 2.3
  TOP w0.231: SITE2.77 340.6,248.83 v1(340.23,248.46)
S2_PS9G_DCH029: length 2.2
  TOP w0.231: SITE2.118 327.83,254.23 v1(328.03,254.03)
S2_PS9G_DCH030: length 9.2
  TOP w0.231: SITE2.148 317.62,247.23 317.3,246.91 314.16,246.91 312.63,245.39 v1(310.91,245.39)
S2_PS9G_DCH035: length 5.3
  TOP w0.231: SITE2.153 315.44,245.23 v1(314.43,246.23)
S2_PS9G_DCH036: length 2.2
  TOP w0.231: SITE2.154 321.23,244.83 v1(321.43,245.03)
S2_PS9G_DCH037: length 2.2
  TOP w0.231: SITE2.155 317.43,244.43 v1(317.23,244.63)
S2_PS9G_DCH038: length 3.7
  TOP w0.231: v1(315.83,244.63) 316.43,244.03 SITE2.156
S2_PS9G_DCH039: length 5.3
  TOP w0.231: v1(314.43,244.63) 315.44,243.63 SITE2.157
S2_PS9G_DCH040: length 2.2
  TOP w0.231: SITE2.158 321.23,243.23 v1(321.43,243.43)
S2_RLY_001:
  vias: v1(410.52,289.12) v1(410.52,273.37)
S2_RLY_003:
  vias: v1(369.63,273.11) v1(396.55,241.11)
S2_RLY_005:
  vias: v1(396.55,273.11) v1(396.55,257.37)
S2_RLY_007:
  vias: v1(383.09,273.11)
S2_RLY_008:
  vias: v1(383.09,289.12) v1(410.27,257.37)
S2_RLY_016:
  vias: v1(369.38,257.11) v1(369.63,289.12)
S2_RLY_018:
  vias: v1(312.25,276.97)
S2_RLY_021:
  vias: v1(369.38,241.11) v1(396.55,289.12)
S2_RLY_022:
  vias: v1(369.38,224.6) v1(383.09,241.11)
S2_RLY_023:
  vias: v1(383.09,224.85)
S2_RLY_025:
  vias: v1(376.23,209.11) v1(396.55,225.11)
S2_RLY_026:
  vias: v1(389.7,209.36)
S2_RLY_030:
  vias: v1(410.52,241.11)
S2_RLY_043:
  vias: v1(383.09,257.11)
S2_SCAN_DCH008: length 2.2
  TOP w0.231: SITE2.48 340.43,237.23 v1(340.23,237.03)
S2_SCAN_DCH012: length 2.2
  TOP w0.231: SITE2.52 340.43,238.83 v1(340.23,238.63)
S2_SCAN_DCH013: length 2.2
  TOP w0.231: SITE2.53 344.23,239.23 v1(344.43,239.03)
S2_SCAN_DCH016: length 2.2
  TOP w0.231: v1(340.23,240.23) 340.43,240.43 SITE2.56
S2_SCAN_DCH017: length 2.2
  TOP w0.231: SITE2.57 344.23,240.83 v1(344.43,240.63)